# Altium PCB PCB1.PcbDoc (part 1 of 2) (continued)
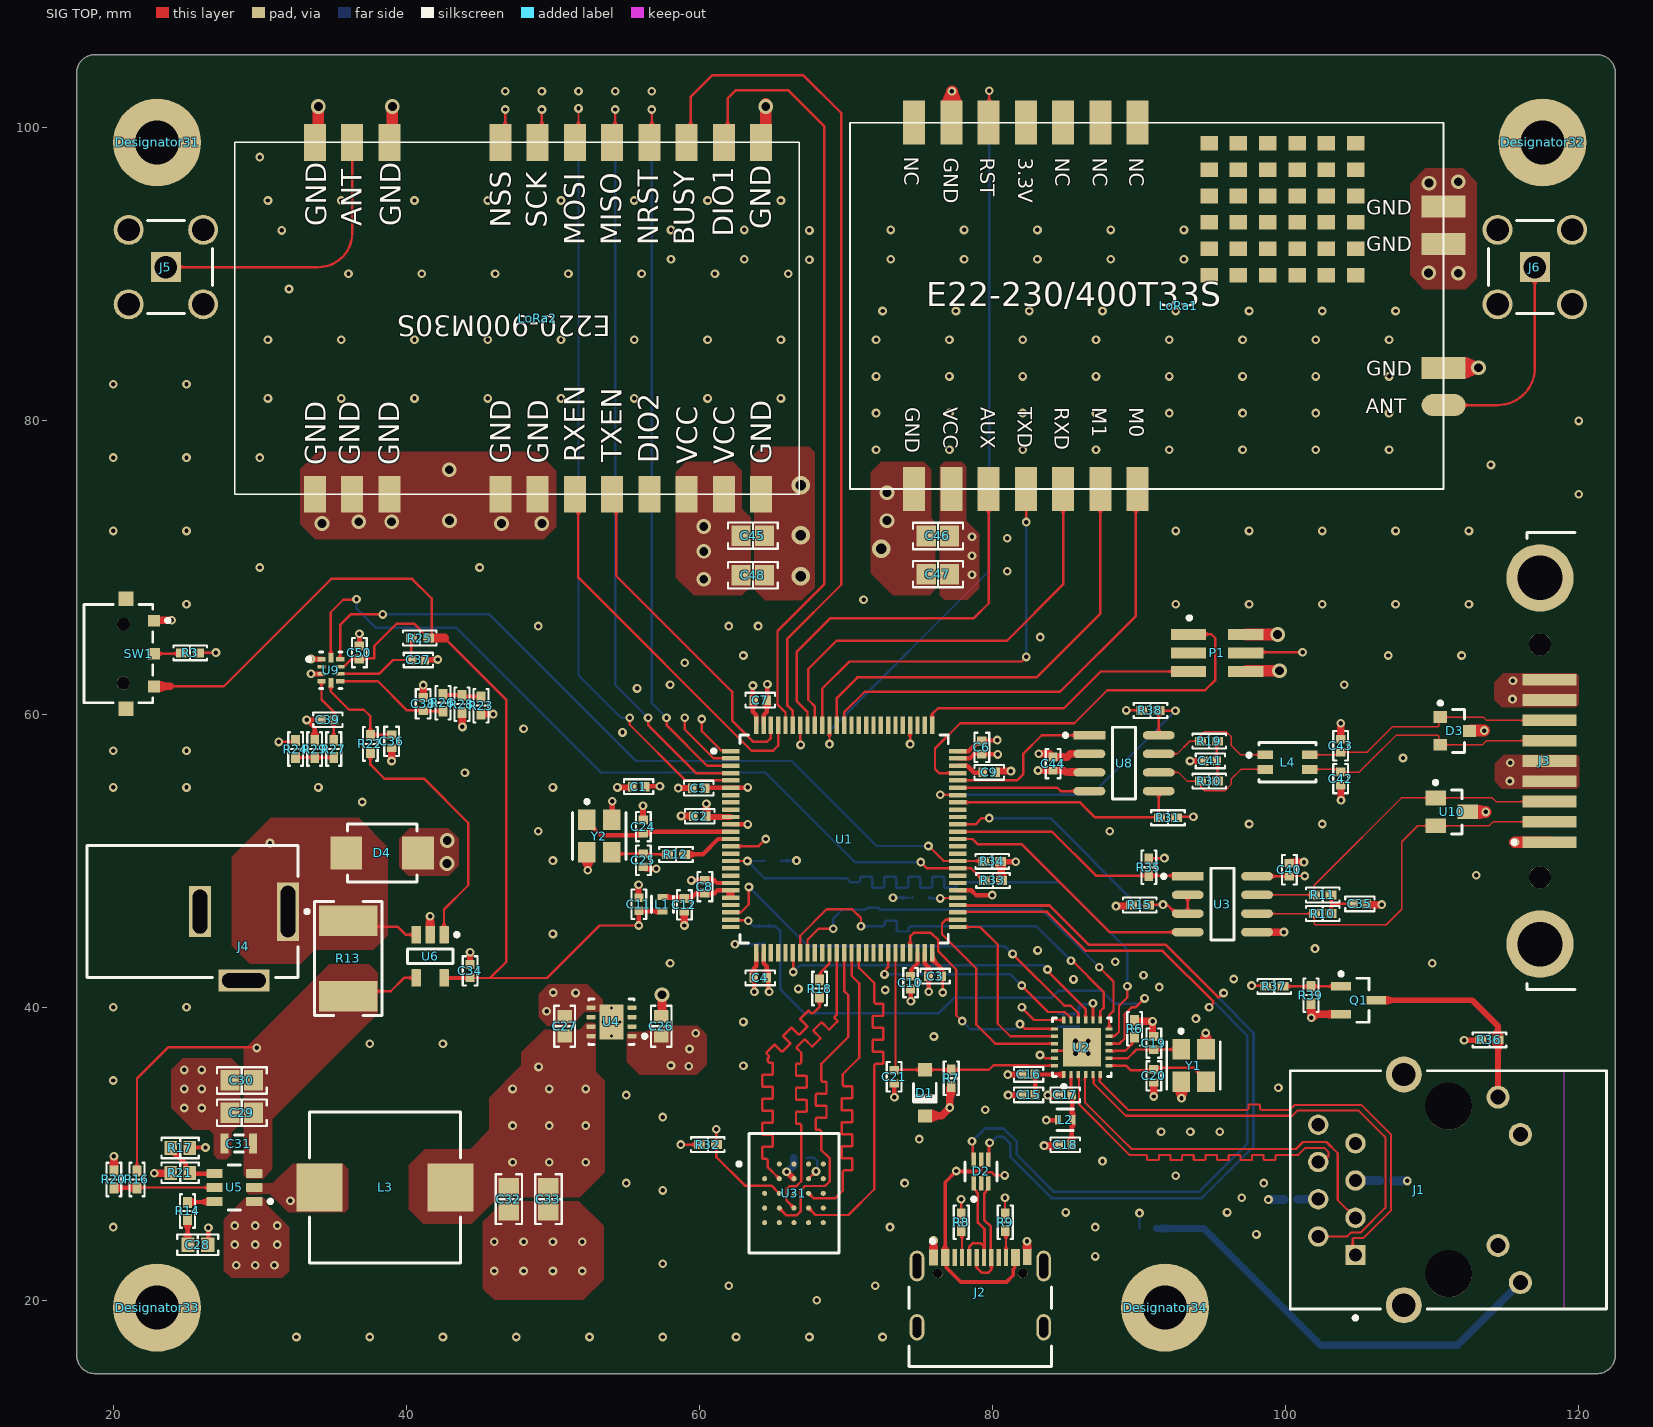
[diagram p0: SIG TOP view]
## Design rules (kind name [scope] priority, off if disabled: settings)
BoardOutlineClearance [All] p1: gap=0.3 ignorepadtopadclearanceinfootprint=FALSE except(0.4: Arc-SplitBarrior Arc-SplitContinuation Track-SplitBarrior Track-SplitContinuation SMDPad-SplitBarrior SMDPad-SplitContinuation THPad-SplitBarrior THPad-SplitContinuation Via-SplitBarrior Via-SplitContinuation Fill-SplitBarrior Fill-SplitContinuation Poly-SplitBarrior Poly-SplitContinuation Region-SplitBarrior Region-SplitContinuation Text-SplitBarrior Text-SplitContinuation)
Clearance "Clearance Different Nets" [All] p1: gap=0.2 ignorepadtopadclearanceinfootprint=FALSE except(0.089: Arc-Arc Arc-Track Arc-SMDPad Track-Track Track-SMDPad; 0.127: SMDPad-SMDPad SMDPad-Via THPad-Via Via-Via; 0.25: Fill-Fill Fill-Poly Fill-Region Poly-Poly Poly-Region Region-Region; 0.254: Arc-Via Arc-Text Track-Via Track-Text SMDPad-Text THPad-Text Via-Text Fill-Text Poly-Text Region-Text Text-Text; 0.5: THPad-THPad Via-Hole)
Clearance "Clearance Same Nets" [All] p2: gap=0.2 ignorepadtopadclearanceinfootprint=FALSE except(0.089: Arc-Arc Arc-Track Arc-SMDPad Track-Track Track-SMDPad SMDPad-SMDPad; 0.127: SMDPad-Via THPad-Via; 0.254: Arc-Via Arc-Text Track-Via Track-Text SMDPad-Text THPad-Text Via-Via Via-Text Fill-Text Poly-Text Region-Text Text-Text)
Clearance "Clearance Bottom Layer" [OnLayer('Bottom Layer')] p3: gap=0.203 ignorepadtopadclearanceinfootprint=TRUE except(0.254: Arc-Text Track-Text SMDPad-Text THPad-Text Via-Text Fill-Text Poly-Text Region-Text Text-Text)
Clearance "Clearance Top Layer" [OnLayer('Top Layer')] p4: gap=0.203 ignorepadtopadclearanceinfootprint=TRUE except(0.254: Arc-Text Track-Text SMDPad-Text THPad-Text Via-Text Fill-Text Poly-Text Region-Text Text-Text)
DiffPairsRouting RS485 [InDifferentialPairClass('RS485')] p1: maxlimit=0.5 minlimit=0.127 mostfreqgap=0.127 toplayer_mingap=0.5 toplayer_prefgap=0.5 toplayer_minwidth=0.103 toplayer_maxwidth=0.103 toplayer_prefwidth=0.103 midlayer1_maxgap=0.127 midlayer1_minwidth=0.042 midlayer1_maxwidth=0.042 midlayer1_prefwidth=0.042 midlayer2_maxgap=0.127 midlayer2_minwidth=0.046 midlayer2_maxwidth=0.046 midlayer2_prefwidth=0.046 midlayer3_maxgap=0.127 midlayer3_minwidth=0.046 midlayer3_maxwidth=0.046 midlayer3_prefwidth=0.046 midlayer4_maxgap=0.127 midlayer4_minwidth=0.042 midlayer4_maxwidth=0.042 midlayer4_prefwidth=0.042 bottomlayer_mingap=0.5 bottomlayer_prefgap=0.5 bottomlayer_minwidth=0.103 bottomlayer_maxwidth=0.103 bottomlayer_prefwidth=0.103 impedanceprofiledriven=TRUE impedanceprofileid={00D4F7C4-3ECA-4F67-B9F6-B563D80CF1C1} impedanceprofilevalue=120.000000 maxuncoupledlength=30
DiffPairsRouting CAN [InDifferentialPairClass('CANBUS')] p2: maxlimit=0.5 minlimit=0.127 mostfreqgap=0.127 toplayer_mingap=0.5 toplayer_prefgap=0.5 toplayer_minwidth=0.103 toplayer_maxwidth=0.103 toplayer_prefwidth=0.103 midlayer1_maxgap=0.127 midlayer1_minwidth=0.042 midlayer1_maxwidth=0.042 midlayer1_prefwidth=0.042 midlayer2_maxgap=0.127 midlayer2_minwidth=0.046 midlayer2_maxwidth=0.046 midlayer2_prefwidth=0.046 midlayer3_maxgap=0.127 midlayer3_minwidth=0.046 midlayer3_maxwidth=0.046 midlayer3_prefwidth=0.046 midlayer4_maxgap=0.127 midlayer4_minwidth=0.042 midlayer4_maxwidth=0.042 midlayer4_prefwidth=0.042 bottomlayer_mingap=0.5 bottomlayer_prefgap=0.5 bottomlayer_minwidth=0.103 bottomlayer_maxwidth=0.103 bottomlayer_prefwidth=0.103 impedanceprofiledriven=TRUE impedanceprofileid={00D4F7C4-3ECA-4F67-B9F6-B563D80CF1C1} impedanceprofilevalue=120.000000 maxuncoupledlength=30
DiffPairsRouting USB_1 [InDifferentialPairClass('USB')] p3: maxlimit=0.254 minlimit=0.254 mostfreqgap=0.254 toplayer_minwidth=0.176 toplayer_maxwidth=0.176 toplayer_prefwidth=0.176 midlayer1_minwidth=0.137 midlayer1_maxwidth=0.137 midlayer1_prefwidth=0.137 midlayer2_minwidth=0.163 midlayer2_maxwidth=0.163 midlayer2_prefwidth=0.163 midlayer3_minwidth=0.163 midlayer3_maxwidth=0.163 midlayer3_prefwidth=0.163 midlayer4_minwidth=0.137 midlayer4_maxwidth=0.137 midlayer4_prefwidth=0.137 bottomlayer_minwidth=0.176 bottomlayer_maxwidth=0.176 bottomlayer_prefwidth=0.176 impedanceprofiledriven=TRUE impedanceprofileid={13DDE4AD-9552-4745-B263-C7D358CBF3E9} impedanceprofilevalue=90.000000 maxuncoupledlength=12.7
DiffPairsRouting ETH [InDifferentialPairClass('ETHERNET')] p4: maxlimit=0.254 minlimit=0.254 mostfreqgap=0.254 toplayer_minwidth=0.141 toplayer_maxwidth=0.141 toplayer_prefwidth=0.141 midlayer1_minwidth=0.107 midlayer1_maxwidth=0.107 midlayer1_prefwidth=0.107 midlayer2_minwidth=0.127 midlayer2_maxwidth=0.127 midlayer2_prefwidth=0.127 midlayer3_minwidth=0.127 midlayer3_maxwidth=0.127 midlayer3_prefwidth=0.127 midlayer4_minwidth=0.107 midlayer4_maxwidth=0.107 midlayer4_prefwidth=0.107 bottomlayer_minwidth=0.141 bottomlayer_maxwidth=0.141 bottomlayer_prefwidth=0.141 impedanceprofiledriven=TRUE impedanceprofileid={A1F5BD77-F961-4114-A562-E4FE23B92751} impedanceprofilevalue=100.000000 maxuncoupledlength=12.7
HoleSize [All] p1: absolutevalues=TRUE maxlimit=6.3 minlimit=0.2 maxpercent=80.000 minpercent=20.000
MatchedLengths "QSPI Match" [InNetClass('QSPI')] p1: tolerance=1.27 checknetsindiffpair=FALSE checkdiffpairvsdiffpair=TRUE checkxsignals=TRUE checkothers=TRUE
MatchedLengths "ETH match2" [InNetClass('ETH50')] p2: tolerance=1.27 checknetsindiffpair=FALSE checkdiffpairvsdiffpair=TRUE checkxsignals=TRUE checkothers=TRUE
MatchedLengths "ETH Match" [InNetClass('ETH50')] p3: tolerance=1.27 checknetsindiffpair=FALSE checkdiffpairvsdiffpair=TRUE checkxsignals=TRUE checkothers=TRUE usedelayunits=TRUE delaytolerance=100.000000
MinimumAnnularRing [All] p1: minimumring=0.13
MinimumSolderMaskSliver [All] p1: minsoldermaskwidth=0.1
PlaneConnect [All] p1: planeconnectstyle=Direct reliefexpansion=0.508 reliefentries=4 reliefconductorwidth=0.254 reliefairgap=0.254
PolygonConnect PolygonConnect_1 [All] p1: connectstyle=Direct reliefconductorwidth=0.508 reliefentries=4 polygonreliefangle="90 Angle" airgapwidth=0.254
RoutingCorners [All] p1: cornerstyle=Round minsetback=2.54 maxsetback=2.54
RoutingLayers [All] p1: top layer_v5=TRUE mid layer 1_v5=FALSE mid layer 2_v5=FALSE mid layer 3_v5=TRUE mid layer 4_v5=FALSE bottom layer_v5=TRUE
RoutingVias [All] p1: holewidth=0.3 width=0.6 viastyle="Through Hole" minholewidth=0.2 minwidth=0.35 maxholewidth=1 maxwidth=2
SilkToSilkClearance [All] p1: silktosilkclearance=0.1
SilkToSolderMaskClearance [IsPad] p1: minsilkscreentomaskgap=0.1 clearancetoexposedcopper=TRUE
SolderMaskExpansion [All] p1: expansion=0.102 istentingtop=FALSE
Width ETH50 [InNetClass('50ohm')] p1: maxlimit=0.254 minlimit=0.157 preferedwidth=0.254 toplayer_minwidth=0.165 toplayer_maxwidth=0.165 toplayer_prefwidth=0.165 midlayer2_maxwidth=0.157 midlayer2_prefwidth=0.157 midlayer3_maxwidth=0.157 midlayer3_prefwidth=0.157 bottomlayer_minwidth=0.165 bottomlayer_maxwidth=0.165 bottomlayer_prefwidth=0.165 impedanceprofiledriven=TRUE impedanceprofileid={70EF2D89-1D20-4E21-96C3-F4C742B09F97} impedanceprofilevalue=50.000000 minimp=50.000000 maximp=50.000000 favimp=50.000000
Width [InNetClass('All Nets')] p2: maxlimit=3 minlimit=0.089 preferedwidth=0.381 toplayer_minwidth=0.165 toplayer_prefwidth=0.3 midlayer1_maxwidth=2.54 midlayer2_maxwidth=2.54 midlayer3_maxwidth=2.54 midlayer4_maxwidth=2.54 bottomlayer_minwidth=0.165 bottomlayer_prefwidth=0.3 minimp=50.000000 maximp=50.000000 favimp=50.000000
22 further rules are at their usual default settings.

## Classes and differential pairs
differential pair class USB: USB1_CONN_D USB1_D
differential pair class RS485: RS485_A
differential pair class ETHERNET: ETH_PHY_RX_D ETH_PHY_TX_D
differential pair class CANBUS: CAN CAN_D
component class Communication: C49 C50 R18 R32 R33 R34 U9 U31
component class Radio: C45 C46 C47 C48 J5 J6 LoRa1 LoRa2
component class Peripheral: C35 C40 C41 C42 C43 C44 D2 D3 J2 J3 L4 R8 R9 R10 R11 R15 R19 R30 R31 R35 R38 U3 U8 U10
component class Power: C26 C27 C28 C29 C30 C31 C32 C33 C34 C36 C37 C38 C39 D4 J4 L3 R13 R14 R16 R17 R20 R21 R22 R23 R24 R25 R26 R27 R28 R29 U4 U5 U6
component class Microcontroller: C1 C2 C3 C4 C5 C6 C7 C8 C9 C10 C11 C12 C24 C25 L1 P1 R1 R2 R3 R12 SW1 U1 Y2
component class Ethernet: C13 C14 C15 C16 C17 C18 C19 C20 C21 C22 C23 D1 J1 L2 Q1 R4 R5 R6 R7 R36 R37 R39 U2 Y1
differential pair RS485_A: +RS485_A_P -RS485_A_N
differential pair CAN: +CAN_P -CAN_N
differential pair CAN_D: +CAN_D_P -CAN_D_N
differential pair USB1_D: +USB1_D_P -USB1_D_N
differential pair USB1_CONN_D: +USB1_CONN_D_P -USB1_CONN_D_N
differential pair ETH_PHY_TX_D: +ETH_PHY_TX_D_P -ETH_PHY_TX_D_N
differential pair ETH_PHY_RX_D: +ETH_PHY_RX_D_P -ETH_PHY_RX_D_N

## Components (designator, comment, footprint, x,y, rotation, side; value= is the part's Value field where it differs from the comment)
C1 "4u7" "CAP 0402_1005" 55.85,55.05 r0 top
C2 "100n" "CAP 0402_1005" 60.025,53.025 r180 top
C3 "100n" "CAP 0402_1005" 76.075,42.125 r0 top
C4 "100n" "CAP 0402_1005" 64.15,42 r0 top
C5 "100n" "CAP 0402_1005" 59.95,54.95 r0 top
C6 "100n" "CAP 0402_1005" 79.275,57.725 r90 top
C7 "100n" "CAP 0402_1005" 64.15,60.95 r180 top
C8 "100n" "CAP 0402_1005" 60.375,48.225 r270 top
C9 "2.2 µF" "CAP 0402_1005" 79.775,56.025 r180 top
C10 "2.2 µF" "CAP 0402_1005" 74.4,41.675 r90 top
C11 "1u" "CAP 0402_1005" 55.875,47.025 r270 top
C12 "2u2" "CAP 0402_1005" 58.975,46.985 r90 top
C13 "2.2 µF" "CAP 0402_1005" 85.892,39.135 r90 bottom
C14 "100n" "CAP 0402_1005" 84.492,39.095 r90 bottom
C15 "2.2 µF" "CAP 0402_1005" 82.46,34.017 r0 top
C16 "100n" "CAP 0402_1005" 82.46,35.417 r0 top
C17 "2.2 µF" "CAP 0402_1005" 84.96,34.017 r0 top
C18 "100n" "CAP 0402_1005" 84.96,30.617 r0 top
C19 "22p" "CAP 0402_1005" 91.01,37.557 r270 top
C20 "22p" "CAP 0402_1005" 91.01,35.317 r90 top
C21 "10u" "CAP 0402_1005" 73.283,35.257 r90 top
C22 "100n" "CAP 0402_1005" 106.915,28.15 r180 bottom
C23 "100n" "CAP 0402_1005" 100.347,26.9 r0 bottom
C24 "12p" "CAP 0402_1005" 56.175,52.325 r270 top
C25 "12p" "CAP 0402_1005" 56.175,50.025 r90 top
C26 "1u" "CAP 0603_1608" 57.4,38.7 r270 top
C27 "1u" "CAP 0603_1608" 50.8,38.7 r270 top
C28 "100n" "CAP 0603_1608" 25.775,23.8 r0 top
C29 "10u" "CAP 0805_2012" 28.775,32.8 r0 top
C30 "10u" "CAP 0805_2012" 28.775,35 r0 top
C31 "100n" CAPC2013X145X20LL20 28.575,30.7 r0 top
C32 "22u" "CAP 0805_2012" 47,26.9 r90 top
C33 "22u" "CAP 0805_2012" 49.7,26.9 r90 top
C34 "100n" "CAP 0402_1005" 44.35,42.475 r270 top
C35 "DNP" "CAP 0402_1005" 105.065,47.05 r0 top value=4u7
C36 "3.3n" "CAP 0402_1005" 39,58.14 r90 top
C37 "3n3" "CAP 0402_1005" 40.825,63.69 r180 top
C38 "3n3" "CAP 0402_1005" 41.15,60.69 r270 top
C39 "3n3" "CAP 0402_1005" 34.65,59.615 r0 top
C40 "DNP" "CAP 0402_1005" 100.25,49.375 r90 top value=100n
C41 "4u7" "CAP 0402_1005" 94.858,56.801 r0 top
C42 "300p" "CAP 0402_1005" 103.75,55.6 r90 top
C43 "300p" "CAP 0402_1005" 103.75,57.84 r270 top
C44 "100n" "CAP 0402_1005" 84.125,56.625 r90 top
C45 "2.2 µF" "CAP 0805_2012" 63.65,72.175 r180 top
C46 "2.2 µF" "CAP 0805_2012" 76.275,72.15 r0 top
C47 "10 µF" "CAP 0805_2012" 76.275,69.55 r0 top
C48 "10 µF" "CAP 0805_2012" 63.65,69.475 r180 top
C49 "100n" "CAP 0402_1005" 66.875,29.725 r0 bottom
C50 "100n" "CAP 0402_1005" 36.8,64.2 r270 top
D1 "1N4148W-7-F" DIOD-SOD123-2_V 75.383,34.157 r270 top
D2 "USBLC6-2P6" FP-SOT-666-MFG 79.215,28.8 r90 top
D3 "MMBZ6V2ALT1" ONSC-SOT-23-3-318-08_V 111.55,58.85 r0 top
D4 "SMBJ18CA" FP-SMBJ-MFG 38.35,50.525 r180 top
Designator31 "Comment" PCBComponent_1#1 22.875,99.3 r0 top
Designator32 "Comment" PCBComponent_1#2 117.525,99.725 r0 top
Designator33 "Comment" PCBComponent_1#3 22.1,19.55 r0 top
Designator34 "Comment" PCBComponent_1#4 91.775,19.175 r0 top
J1 "J00-0045NL" FP-J00-0045NL-MFG 111.105,27.535 r270 top
J2 "USB4105-GF-A" FP-USB4105-GF-A-MFG 79.165,19.325 r0 top
J3 "190-009-163R001" FP-190-009-163R001-MFG 121.65,56.8 r270 top
J4 "PJ-002A" CUI-PJ-002A_V 28.925,46.525 r180 top
J5 "731000114" MOLX-731000114_V 23.6,90.5 r0 top
J6 "731000114" MOLX-731000114_V 117,90.5 r180 top
L1 "LQW15AN5N3D80D" FP-LQW15AN_80-MFG 57.475,47.025 r90 top
L2 "LQW15AN5N3D80D" FP-LQW15AN_80-MFG 84.96,32.317 r0 top
L3 "IHLP4040DZER5R6M01" FP-IHLP-4040DZ-FP_3_124x3-MFG 38.55,27.7 r0 top
L4 "ACT1210D" FP-ACT1210D-MFG 100.125,56.725 r0 top
LoRa1 "E22-400t33s" E32-433T33S 70.275,75.35 r0 top
LoRa2 "e220-900m30s" PE220-900M30S 33.77,75 r180 top
P1 "62130621021" 62130621021 95.325,64.175 r270 top
Q1 "BC847B" INF-SOT23_M 104.975,40.475 r0 top
R1 "1k" "RES 0402_1005" 64.425,44.95 r90 bottom
R2 "1k" "RES 0402_1005" 65,50 r180 bottom
R3 "113k" "RES 0402_1005" 25.25,64.175 r0 top
R4 "220" "RES 0402_1005" 90.625,24.9 r180 bottom
R5 "1k" "RES 0402_1005" 74.838,47.492 r180 bottom
R6 "6k49" "RES 0402_1005" 89.692,38.533 r270 top
R7 "10 kOhms" "RES 0402_1005" 77.183,35.157 r270 top
R8 "5k1" "RES 0402_1005" 77.865,25.325 r270 top
R9 "5k1" "RES 0402_1005" 80.865,25.325 r270 top
R10 "DNP" "RES 0402_1005" 102.525,46.392 r180 top value=60
R11 "DNP" "RES 0402_1005" 102.525,47.662 r0 top value=60
R12 "0" "RES 0402_1005" 58.4,50.425 r180 top
R13 "22 mOhms" "STACKPOLE CSM2512" 36.05,43.325 r270 top
R14 "30" "RES 0402_1005" 25.075,26.1 r90 top
R15 "10k" "RES 0402_1005" 90.05,46.975 r180 top
R16 "174k" "RES 0402_1005" 21.625,28.25 r90 top
R17 "52k3" "RES 0603_1608" 24.575,30.4 r0 top
R18 "22" "RES 0402_1005" 68.2,41.275 r270 top
R19 "60" "RES 0402_1005" 94.775,58.15 r180 top
R20 "36k5" "RES 0402_1005" 20.05,28.25 r270 top
R21 "10k" "RES 0603_1608" 24.575,28.7 r0 top
R22 "1 kOhms" "RES 0402_1005" 37.55,57.965 r270 top
R23 "2k" "RES 0402_1005" 45.1,60.577 r90 top
R24 "10k" "RES 0402_1005" 32.45,57.615 r270 top
R25 "1k" "RES 0402_1005" 40.925,65.19 r0 top
R26 "1k" "RES 0402_1005" 42.5,60.777 r90 top
R27 "1k" "RES 0402_1005" 35.05,57.615 r270 top
R28 "1k" "RES 0402_1005" 43.8,60.677 r270 top
R29 "2k4" "RES 0402_1005" 33.75,57.615 r90 top
R30 "60" "RES 0402_1005" 94.775,55.425 r0 top
R31 "10k" "RES 0402_1005" 91.975,52.925 r0 top
R32 "10k" "RES 0402_1005" 60.575,30.625 r180 top
R33 "2k2" "RES 0402_1005" 80.025,48.65 r0 top
R34 "2k2" "RES 0402_1005" 79.975,49.95 r0 top
R35 "" "RES 0402_1005" 90.659,49.551 r90 top value=10k
R36 "1k" "RES 0402_1005" 113.9,37.775 r0 top
R37 "1k" "RES 0402_1005" 99.225,41.425 r180 top
R38 "10k" "RES 0402_1005" 90.775,60.25 r180 top
R39 "1k" "RES 0402_1005" 101.725,40.825 r90 top
SW1 "JS102000SAQN" FP-JS102000SAQN-MFG 20.35,64.125 r270 top
U1 "STM32H750VBT6" FP-LQFP100-1L-MFG 69.875,51.475 r0 top
U2 "KSZ8081RNACA-TR" FP-QFN44-24LD-PL-1-MFG 86.1,37.267 r90 top
U3 "THVD1450D" FP-D0008A-IPC_B 95.682,47.027 r0 top
U4 "TPS78533QWDRBRQ1" FP-DRB0008J-MFG 54,39 r180 top
U5 "TPS56339DDCR" FP-DDC0006A-MFG 28.275,27.7 r180 top
U6 "INA194AIDBVR" DBV0005A_M 41.625,43.475 r270 top
U8 "TCAN334GDR" FP-D0008A-IPC_B 88.975,56.65 r0 top
U9 "TLA2024IRUGR" FP-RUG0010A-MFG 34.85,62.99 r270 top
U10 "SM712.TCT" SMTC-SOT23-3_V 111.325,53.325 r0 top
U31 "S25FL256SAGBHI200" FP-002-15534-MFG 66.45,27.3 r0 top
Y1 "25MHZ" FP-ABM8G-MFG 93.71,36.017 r270 top
Y2 "25MHZ" FP-ABM8G-MFG 53.175,51.675 r270 top

## Footprints (in the part's own frame and the unit in brackets; to place one, negate y for a bottom-side part, rotate by r counter-clockwise, add the part's x,y. Pads: shape width x height; smd on the part's side, far side on the other; paste and mask are expansions set on the pad)
62130621021 [mm] "Pin Header, pitch 1.27 mm, SMD, Vertical, dual row, 6p"
  rect 0.75x2.4 smd: 1(-1.27,-1.95) 2(-1.27,1.95) 3(0,-1.95) 4(0,1.95) 5(1.27,-1.95) 6(1.27,1.95)
  silkscreen extent -2.51,-2.02 -2.26,-1.77, body extent -1.91,-2.55 1.9,2.55, height 5.9
"CAP 0402_1005" [mm] "Chip Capacitor, 2-Leads, Body 1.02x0.51mm, IPC Medium Density"
  rect 0.6x0.64 smd: 1(-0.44,0) 2(0.44,0)
  silkscreen extent -1,-0.5 1,0.5, body extent -0.5,-0.26 0.5,0.26, height 0.52
"CAP 0603_1608" [mm] "Chip Capacitor, 2-Leads, Body 1.60x0.80mm, IPC Medium Density"
  rect 0.9x1 smd: 1(-0.675,0) 2(0.675,0)
  silkscreen extent -1.4,-0.7 1.4,0.7, body extent -0.8,-0.41 0.8,0.41, height 0.82
"CAP 0805_2012" [mm] "Chip Capacitor, 2-Leads, Body 2.00x1.20mm, IPC Medium Density"
  rect 1.3x1.4 smd: 1(-0.8,0) 2(0.8,0)
  silkscreen extent -1.7,-0.9 1.7,0.9, body extent -1,-0.64 1,0.64, height 1.26
CAPC2013X145X20LL20 [mm] "Chip Capacitor, 2-Leads, Body 2.20x1.45mm, IPC High Density"
  rect 0.55x1.35 smd: 1(-0.975,0) 2(0.975,0)
  silkscreen extent -0.3,-0.58 0.3,0.58, body extent -1.1,-0.72 1.1,0.72, height 1.45
CUI-PJ-002A_V [mm] "THD, 3-Leads, Body 14.4x9mm, Height 11mm"
  rect 1.5x4 hole 1 slot 3.5 at 90 deg: 1(-3,0)
  rect 1.5x3.5 hole 1 slot 3 at 90 deg: 2(3,0)
  rect 3.5x1.5 hole 1 slot 3 at 0 deg: 3(0,4.7)
  silkscreen extent -4.43,-4.5 10.7,4.5, body extent -3.7,-4.5 10.7,4.9, height 11
DBV0005A_M [mm] "SOT23, 5-Leads, Body 3.05x1.75mm, Pitch 0.95mm, IPC Low Density"
  rrect15% 1.2x0.65 smd: 1(-1.475,0.95) 2(-1.475,0) 3(-1.475,-0.95) 4(1.475,-0.95) 5(1.475,0.95)
  silkscreen extent -1.6,-1.55 0.5,1.95, body extent -1.42,-1.46 1.42,1.46, height 1.08
DIOD-SOD123-2_V [mm] "SOD123, 2-Leads, Body 2.7x1.55mm, Height 1.45mm"
  rect 0.9x0.95 smd: 1(-1.575,0) 2(1.575,0)
  silkscreen extent -0.64,-0.83 0.64,0.77, body extent -1.35,-0.77 1.35,0.77, height 1.45
E32-433T33S [mm]
  rect 1.2x1 smd: 0(24.5,14.6) 0(24.5,16.4) 0(24.5,18.2) 0(24.5,20) 0(24.5,21.8) 0(24.5,23.6) 0(26.5,14.6) 0(26.5,16.4) 0(26.5,18.2) 0(26.5,20) 0(26.5,21.8) 0(26.5,23.6) 0(28.5,14.6) 0(28.5,16.4) 0(28.5,18.2) 0(28.5,20) 0(28.5,21.8) 0(28.5,23.6) 0(30.5,14.6) 0(30.5,16.4) 0(30.5,18.2) 0(30.5,20) 0(30.5,21.8) 0(30.5,23.6) 0(32.5,14.6) 0(32.5,16.4) 0(32.5,18.2) 0(32.5,20) 0(32.5,21.8) 0(32.5,23.6) 0(34.5,14.6) 0(34.5,16.4) 0(34.5,18.2) 0(34.5,20) 0(34.5,21.8) 0(34.5,23.6)
  rect 1.5x3 smd: 1(4.38,0) 2(6.92,0) 3(9.46,0) 4(12,0) 5(14.54,0) 6(17.08,0) 7(19.62,0) 18(19.62,25) 19(17.08,25) 20(14.54,25) 21(12,25) 22(9.46,25) 23(6.92,25) 24(4.38,25)
  oval 3x1.5 smd: 11(40.5,5.73)
  rect 3x1.5 smd: 12(40.5,8.27) 13(40.5,16.73) 14(40.5,19.27)
  silkscreen extent 0,0 40.5,25
FP-002-15534-MFG [mm]
  round 0.35 smd paste+0 mask+0: A2(-1,2) A3(0,2) A4(1,2) A5(2,2) B1(-2,1) B2(-1,1) B3(0,1) B4(1,1) B5(2,1) C1(-2,0) C2(-1,0) C3(0,0) C4(1,0) C5(2,0) D1(-2,-1) D2(-1,-1) D3(0,-1) D4(1,-1) D5(2,-1) E1(-2,-2) E2(-1,-2) E3(0,-2) E4(1,-2) E5(2,-2)
  silkscreen extent -3.87,-4.08 3.08,4.08, body extent -3.57,-4.57 3.57,4.57, height 0.25
FP-190-009-163R001-MFG [mm]
  rect 0.8x3.7 smd paste+0 mask+0: 1(5.54,-3.65) 2(2.77,-3.65) 3(0,-3.65) 4(-2.77,-3.65) 5(-5.54,-3.65) 6(4.155,-3.65) 7(1.385,-3.65) 8(-1.385,-3.65) 9(-4.155,-3.65)
  round 4.6 hole 3.05 paste-2539.97 mask+0: 10(-12.495,-4.3) 11(12.495,-4.3)
  round 1.5 hole 1.5 unplated paste-2539.97 mask+0: ""(-7.95,-4.3) ""(7.95,-4.3)
  silkscreen extent -15.6,-6.2 15.6,-1.9, body extent -15.69,-6.7 15.7,5.3, height 0.25
FP-ABM8G-MFG [mm]
  rect 1.4x1.2 smd paste+0 mask+0: 1(-1.1,-0.85) 2(1.1,-0.85) 3(1.1,0.85) 4(-1.1,0.85)
  silkscreen extent -2.47,-1.83 1.6,1.83, body extent -1.9,-1.55 1.9,1.55, height 0.25
FP-ACT1210D-MFG [mm]
  rect 1.05x0.6 smd paste+0 mask+0: 1(-1.525,0.5) 2(-1.525,-0.5) 3(1.525,-0.5) 4(1.525,0.5)
  silkscreen extent -2.75,-1.35 1.95,1.35, body extent -2.15,-1.45 2.15,1.45, height 0.25
FP-D0008A-IPC_B [mm]
  rect 2.169x0.582 smd paste+0 mask+0: 1(-2.364,1.905)
  rrect100% 2.169x0.582 smd paste+0 mask+0: 2(-2.364,0.635) 3(-2.364,-0.635) 4(-2.364,-1.905) 5(2.364,-1.905) 6(2.364,-0.635) 7(2.364,0.635) 8(2.364,1.905)
  silkscreen extent -4.12,-2.45 0.78,2.45, body extent -3.7,-2.7 3.7,2.7, height 0.25
FP-DDC0006A-MFG [mm]
  rrect17% 1.1x0.6 smd paste+0 mask+0: 1(-1.35,0.95) 2(-1.35,0) 3(-1.35,-0.95) 4(1.35,-0.95) 5(1.35,0) 6(1.35,0.95)
  silkscreen extent -2.58,-1.53 0.42,1.53, body extent -2,-1.63 2,1.63, height 0.25
FP-DRB0008J-MFG [mm]
  rrect32% 0.6x0.31 smd paste+0 mask+0: 1(-1.4,0.975) 2(-1.4,0.325) 3(-1.4,-0.325) 4(-1.4,-0.975) 5(1.4,-0.975) 6(1.4,-0.325) 7(1.4,0.325) 8(1.4,0.975)
  rrect6% 1.65x2.4 smd paste-1000 mask+0: 9(0,0)
  silkscreen extent -2.39,-1.55 1.55,1.55, body extent -1.8,-1.65 1.8,1.65, height 0.25
FP-IHLP-4040DZ-FP_3_124x3-MFG [mm]
  rect 3.124x3.251 smd paste+0 mask+0: 1(-4.47,0) 2(4.47,0)
  silkscreen extent -5.14,-5.14 5.14,5.14, body extent -6.13,-5.24 6.13,5.24, height 0.25
FP-J00-0045NL-MFG [mm]
  rect 1.39x1.39 hole 0.89 paste-2539.97 mask+0: 1(4.445,-6.345)
  round 1.39 hole 0.89 paste-2539.97 mask+0: 2(3.175,-8.885) 3(1.905,-6.345) 4(0.635,-8.885) 5(-0.635,-6.345) 6(-1.905,-8.885) 7(-3.175,-6.345) 8(-4.445,-8.885)
  round 1.57 hole 1.02 paste-2539.97 mask+0: 9(6.325,4.905) 10(3.785,3.385) 11(-3.785,4.905) 12(-6.325,3.385)
  round 2.45 hole 1.6 paste-2539.97 mask+0: 13(-7.875,-3.045) 14(7.875,-3.045)
  round 3.2 hole 3.2 unplated paste-2539.97 mask+0: ""(-5.715,0.005) ""(5.715,0.005)
  Keep-Out Layer region: -8.13,7.874 8.13,7.874 8.13,10.794 -8.13,10.794
  silkscreen extent -8.13,-10.8 8.85,10.8, body extent -9.2,-10.89 9.2,10.89, height 0.25
FP-JS102000SAQN-MFG [mm]
  rect 0.8x0.8 smd paste+0 mask+0: 1(-2.25,2.43) 2(0,2.43) 3(2.25,2.43)
  rect 1x1 smd paste+0 mask+0: 4(-3.75,0.53) 5(3.75,0.53)
  round 0.9 hole 0.9 unplated paste-2539.97 mask+0: ""(-2,0.35) ""(2,0.35)
  silkscreen extent -3.35,-2.35 3.35,3.51, body extent -4.35,-2.45 4.35,2.93, height 0.25
FP-LQFP100-1L-MFG [mm]
  rect 1.2x0.3 smd paste+0 mask+0: 1(-7.75,6) 2(-7.75,5.5) 3(-7.75,5) 4(-7.75,4.5) 5(-7.75,4) 6(-7.75,3.5) 7(-7.75,3) 8(-7.75,2.5) 9(-7.75,2) 10(-7.75,1.5) 11(-7.75,1) 12(-7.75,0.5) 13(-7.75,0) 14(-7.75,-0.5) 15(-7.75,-1) 16(-7.75,-1.5) 17(-7.75,-2) 18(-7.75,-2.5) 19(-7.75,-3) 20(-7.75,-3.5) 21(-7.75,-4) 22(-7.75,-4.5) 23(-7.75,-5) 24(-7.75,-5.5) 25(-7.75,-6) 51(7.75,-6) 52(7.75,-5.5) 53(7.75,-5) 54(7.75,-4.5) 55(7.75,-4) 56(7.75,-3.5) 57(7.75,-3) 58(7.75,-2.5) 59(7.75,-2) 60(7.75,-1.5) 61(7.75,-1) 62(7.75,-0.5) 63(7.75,0) 64(7.75,0.5) 65(7.75,1) 66(7.75,1.5) 67(7.75,2) 68(7.75,2.5) 69(7.75,3) 70(7.75,3.5) 71(7.75,4) 72(7.75,4.5) 73(7.75,5) 74(7.75,5.5) 75(7.75,6)
  rect 0.3x1.2 smd paste+0 mask+0: 26(-6,-7.75) 27(-5.5,-7.75) 28(-5,-7.75) 29(-4.5,-7.75) 30(-4,-7.75) 31(-3.5,-7.75) 32(-3,-7.75) 33(-2.5,-7.75) 34(-2,-7.75) 35(-1.5,-7.75) 36(-1,-7.75) 37(-0.5,-7.75) 38(0,-7.75) 39(0.5,-7.75) 40(1,-7.75) 41(1.5,-7.75) 42(2,-7.75) 43(2.5,-7.75) 44(3,-7.75) 45(3.5,-7.75) 46(4,-7.75) 47(4.5,-7.75) 48(5,-7.75) 49(5.5,-7.75) 50(6,-7.75) 76(6,7.75) 77(5.5,7.75) 78(5,7.75) 79(4.5,7.75) 80(4,7.75) 81(3.5,7.75) 82(3,7.75) 83(2.5,7.75) 84(2,7.75) 85(1.5,7.75) 86(1,7.75) 87(0.5,7.75) 88(0,7.75) 89(-0.5,7.75) 90(-1,7.75) 91(-1.5,7.75) 92(-2,7.75) 93(-2.5,7.75) 94(-3,7.75) 95(-3.5,7.75) 96(-4,7.75) 97(-4.5,7.75) 98(-5,7.75) 99(-5.5,7.75) 100(-6,7.75)